# Altium PCB PCB.PcbDoc (continued)
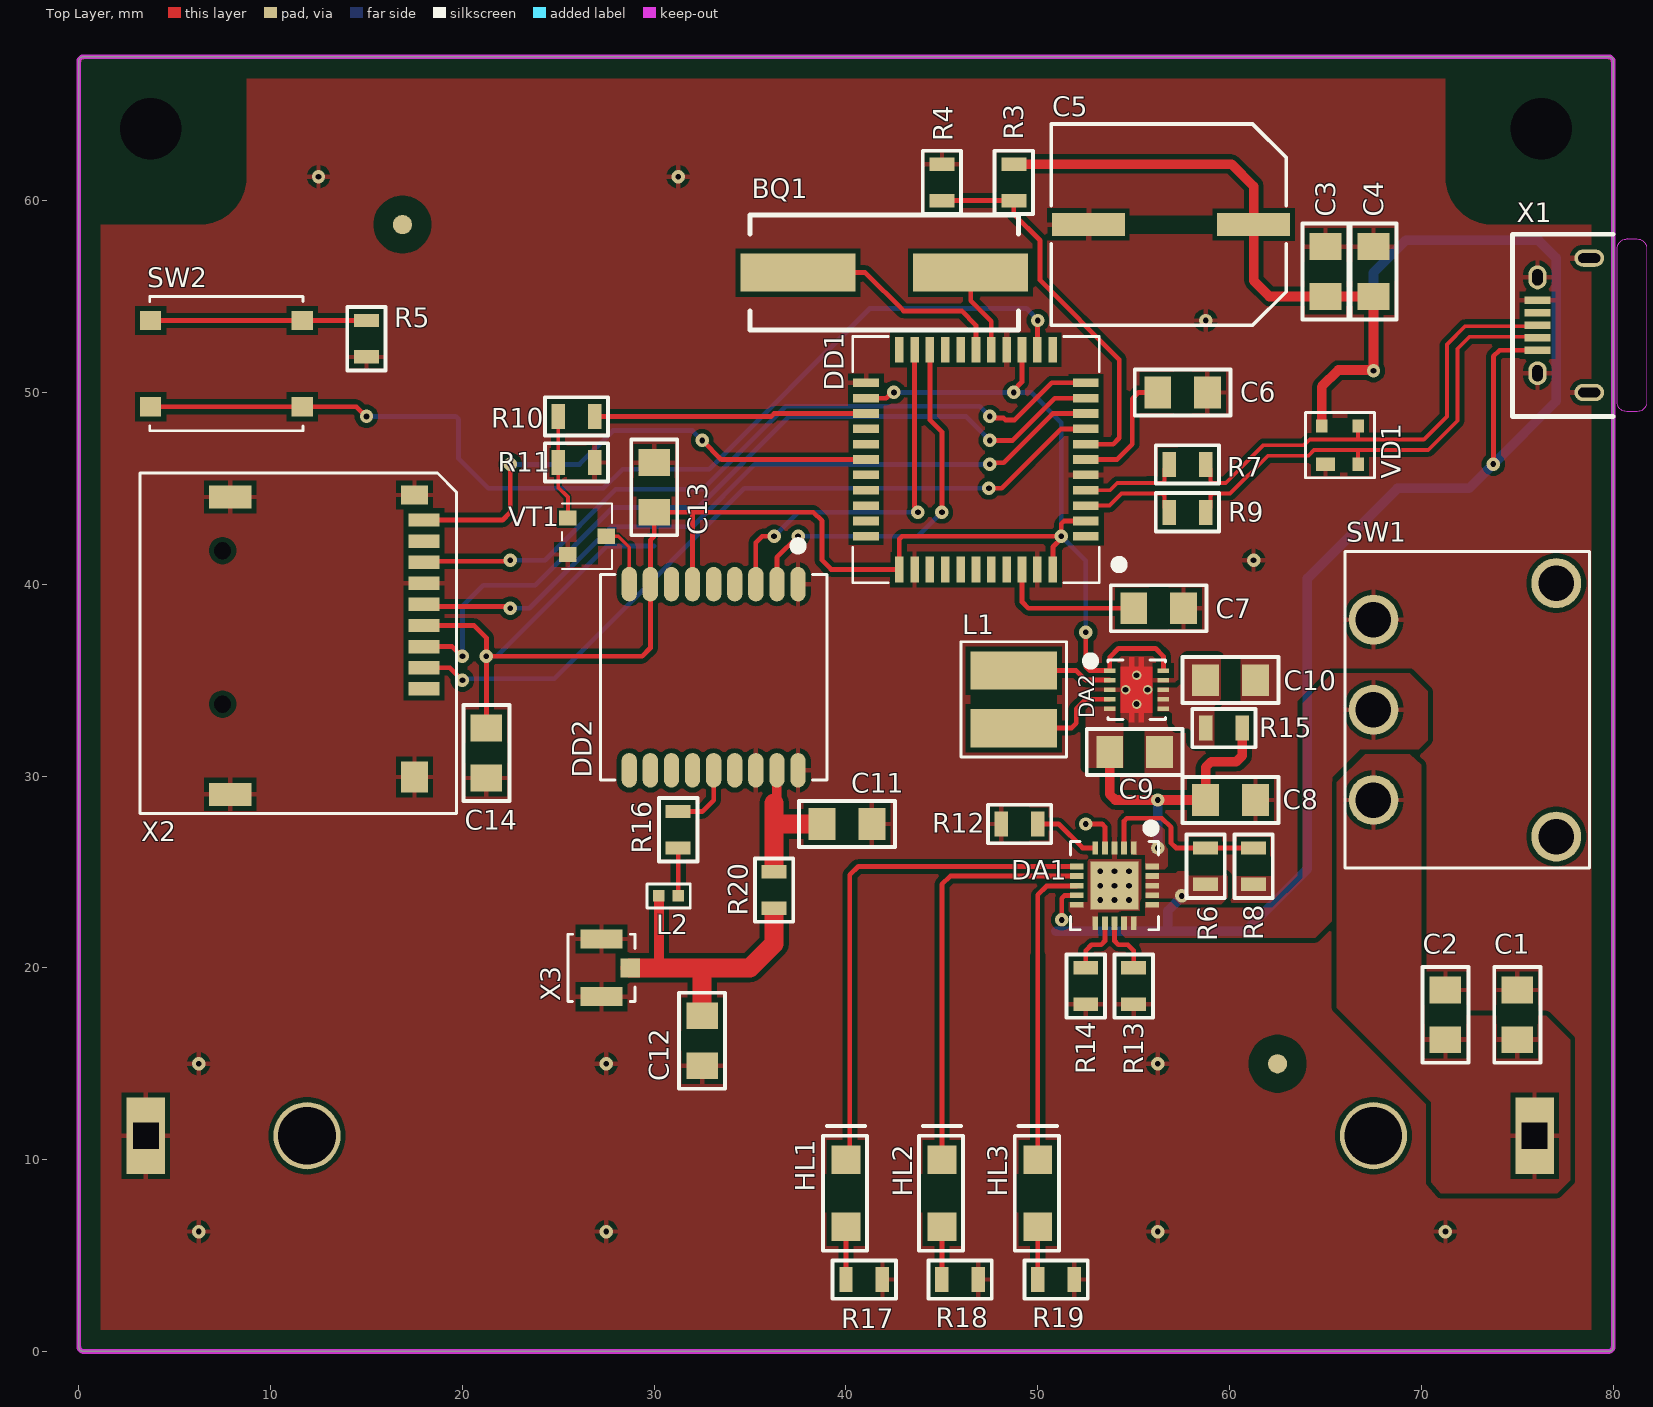
[diagram p0: Top Layer view]
## Part data
BQ1: "Кварцевый резонатор , монтаж SMD", Capacity="16 пФ", Case=SMD, Frequency="8 МГц", Temp="-20…+70 °С", Tolerance="20 ppm", ValueDescription="Кварцевый резонатор SMD 8 МГц 16 пФ ±20 ppm", ValueManufacturer=RUICHI, ValueType="Кварцевый резонатор", IC_Name=HC49SMD, Link=https://www.chipdip.ru/product/hc49smd-8-mhz-16pf-30ppm-kvartsevyy-rezonator-ruichi-8030745328, Part Number=HC49SMD
C1 C4: library part GRM21BR61E226ME44L, "безвыводные керамические неполярные конденсаторы общего применения", Case=0805, Temp=-55…85, Tolerance=20%, ValueDescription="Конденсатор 0805 22 мкФ ±20% 25В", ValueManufacturer="Murata Electronics", ValueType=Конденсатор, Voltage=25В, EffectiveValue="22 мкФ", Link=https://www.chipdip.ru/product/22mkf-x5r-25v-20-0805-grm21br61e226me44l-kondensator-murata-9000272790, Part Number=GRM21BR61E226ME44L
C2: library part GRM21BR71H105KA12L, "безвыводные керамические неполярные конденсаторы общего применения", Case=0805, Temp=-55…125, Tolerance=10%, ValueDescription="Конденсатор 0805 1 мкФ ±10% 50В", ValueManufacturer="Murata Electronics", ValueType=Конденсатор, Voltage=50В, EffectiveValue="1 мкФ", Link=https://www.chipdip.ru/product/1-mkf-x7r-50v-10-0805-grm21br71h105k-kondensator-murata-9000059108, Part Number=GRM21BR71H105KA12L
C3 C10: library part CL21F104ZBCNNNC, "безвыводные керамические неполярные конденсаторы общего применения", Case=0805, Temp=-30…50, Tolerance=10%, ValueDescription="Конденсатор 0805 100 нФ ±10% 50В", ValueManufacturer="Samsung Electronics", ValueType=Конденсатор, Voltage=50В, EffectiveValue="100 нФ", Link=https://www.chipdip.ru/product/cl21f104zbcnnnc-samsung-8001793788, Part Number=CL21F104ZBCNNNC
C5: library part JCK1A102M100105, "Алюминиевые электролитические конденсаторы", Case=10x10.5мм, Temp=-40…105, Tolerance=20%, ValueDescription="Конденсатор электролитический 10x10.5мм 1000 мкФ ±20% 50 В", ValueManufacturer="JB Capacitors", ValueType="Конденсатор электролитический", Voltage="50 В", EffectiveValue="1000 мкФ", Link=https://www.chipdip.ru/product/ecap-smd-1000mkf-10v-105-c-20-10x10.5mm-jb-capacitors-9000565753, Part Number=JCK1A102M100105
C6: library part GRM21BR71C105KA01K, Case=0805, Temp=-55…125, Tolerance=10%, ValueDescription="Конденсатор 0805 1.0 мкФ ±10% 50В", ValueManufacturer="Murata Electronics", ValueType=Конденсатор, Voltage=50В, EffectiveValue="1.0 мкФ", Link=https://www.chipdip.ru/product/grm21br71c105k, Part Number=GRM21BR71C105KA01K
C7: library part GRM21BR71H104K, Case=0805, Temp=-55…125, Tolerance=10%, ValueDescription="Конденсатор 0805 0.1 мкФ ±10% 50В", ValueManufacturer="Murata Electronics", ValueType=Конденсатор, Voltage=50В, EffectiveValue="0.1 мкФ", Link=https://www.chipdip.ru/product/grm21br71h104k, Part Number=GRM21BR71H104K
C8: library part GRM21BR61A475KA73L, "безвыводные керамические неполярные конденсаторы общего применения", Case=0805, Temp=-55…85, Tolerance=10%, ValueDescription="Конденсатор 0805 4.7 мкФ ±10% 10В", ValueManufacturer="Murata Electronics", ValueType=Конденсатор, Voltage=10В, EffectiveValue="4.7 мкФ", Link=https://www.chipdip.ru/product/4.7-mkf-x5r-10-10v-0805-grm21br61a475ka73l-murata-9000122610, Part Number=GRM21BR61A475KA73L
C9 C13 C14: library part GRM21BR61H106KE43L, "безвыводные керамические неполярные конденсаторы общего применения", Case=0805, Temp=-55…125, Tolerance=10%, ValueDescription="Конденсатор 0805 10 мкФ ±10% 50В", ValueManufacturer="Murata Electronics", ValueType=Конденсатор, Voltage=50В, EffectiveValue="10 мкФ", Link=https://www.chipdip.ru/product/10mkf-x5r-50v-10-0805-grm21br61h106ke43l-kondensator-murata-9000665990, Part Number=GRM21BR61H106KE43L
C11 C12: library part 0F, "Перемычка", EffectiveValue="0 пФ", Part Number=0F
DA1: library part MCP73871-2CCI/ML, "The MCP73871-2CCI/ML is a stand-alone system load sharing and Li-ion/Li-polymer battery charge Management Controller with AC-DC wall adapter and USB port power sources selection", Case=QFN-20, ValueDescription="Драйвер зарядки MCP73871", ValueManufacturer="Microchip Technology", ValueType="Драйвер зарядки", IC_Name=MCP73871, Link=https://www.chipdip.ru/product/mcp73871-2cci-ml-battery-management-usb-ac-microchip-8005459712, Part Number=MCP73871-2CCI/ML
DA2: library part TPS63001DRCR, "Преобразователь постоянного тока понижающий-повышающий синхронный 3.3В", Case=VSON10, ValueDescription="Преобразователь постоянного тока TPS63001", ValueManufacturer="Texas Instruments", ValueType="Преобразователь постоянного тока", IC_Name=TPS63001, Link=https://www.chipdip.ru/product/tps63001drcr-texas-instruments-8033558615, Part Number=TPS63001DRCR
DD1: library part ATMEGA32U4-AU, Case=TQFP-44, ValueDescription="Микроконтроллер 8-Бит, AVR ATMEGA32U4", ValueManufacturer="Microchip Technology", ValueType="Микроконтроллер 8-Бит, AVR", IC_Name=ATMEGA32U4, Link=https://www.chipdip.ru/product/atmega32u4-au, Part Number=ATMEGA32U4-AU
DD2: "GPS/GLONAS модуль", ValueDescription="GPS/GLONAS модуль L76L-M33", ValueManufacturer=Quectel, Case=L76L-M33, IC_Name=L76L-M33, Link=https://www.chipdip.ru/product/l76l-m33-quectel-8002892233, Part Number=L76L-M33, ValueType="GPS/GLONAS модуль"
G1: library part KLS5-18650-006, "Держатели батарей, клипсы, контакты", ValueDescription="Держатель батареи --", ValueManufacturer="KLS electronic co ltd", ValueType="Держатель батареи", Case=18650, IC_Name=--, Link=https://www.chipdip.ru/product/kls5-18650-d-batareynyy-otsek-1x18650-na-platu-9000597333, Part Number=KLS5-18650-006
HL1 HL2 HL3: library part 9203T013, Case="SMD 3216", Color=зеленый, ValueDescription="Светодиод зеленый SMD 3216 TO-3216BC-PG", ValueManufacturer="Taiwan Oasis Technology Co., Ltd", ValueType=Светодиод, IC_Name=TO-3216BC-PG, Link=https://www.chipdip.ru/product/to-3216bc-pg, Part Number=9203T013
L1: library part CDSP43-2R2M, "=ValueType+' '+EffectiveValue+' ±'+Tolerance", Temp="-40…125 / -40...125", Tolerance=20%, ValueDescription="Индуктивность, SMD 2.2 мкГн ±20%", ValueManufacturer=SCE, ValueType="Индуктивность, SMD", EffectiveValue="2.2 мкГн", Link=https://www.chipdip.ru/product/cdsp43-2r2m-2.2mkgn-induktivnost-smd-sce-9001493377, Part Number=CDSP43-2R2M
L2: library part LQW15AN47NJ00D, "High quality coil inductors designed for VHF and UHF applications", Tolerance=5%, ValueDescription="Индуктивность, SMD 47 нГн ±5%", ValueManufacturer="Murata Electronics", ValueType="Индуктивность, SMD", EffectiveValue="47 нГн", Link=https://www.chipdip.ru/product/lqw15an47nj00d-47-ngn-0402-5-induktivnost-smd-murata-9000127414, Part Number=LQW15AN47NJ00D
R3: library part RC0805FR-0751KL, Case=0805, Power=0.125Вт, Temp=-55…155, Tolerance=1%, ValueDescription="Резистор 0805 51 кОм ±1% 0.125Вт", ValueManufacturer="No trademark", ValueType=Резистор, Voltage=150В, EffectiveValue="51 кОм", Link=https://www.chipdip.ru/product/0.125vt-0805-51-kom-1-chip-rezistor-smd-9000079531, Part Number=RC0805FR-0751KL
R4: library part RC0805FR-07100KL, Case=0805, Power=0.125Вт, Temp=-55…155, Tolerance=1%, ValueDescription="Резистор 0805 100 кОм ±1% 0.125Вт", ValueManufacturer="No trademark", ValueType=Резистор, Voltage=150В, EffectiveValue="100 кОм", Link=https://www.chipdip.ru/product/0.125w-0805-100-kom-1, Part Number=RC0805FR-07100KL
R5 R17 R18 R19: library part RC0805FR-07470RL, Case=0805, Power=0.125Вт, Temp=-55…155, Tolerance=1%, ValueDescription="Резистор 0805 470 Ом ±1% 0.125Вт", ValueManufacturer="No trademark", ValueType=Резистор, Voltage=150В, EffectiveValue="470 Ом", Link=https://www.chipdip.ru/product/0.125w-0805-470-om-1, Part Number=RC0805FR-07470RL
R6: library part RC0805FR-07270KL, Case=0805, Power=0.125Вт, Temp=-55…155, Tolerance=1%, ValueDescription="Резистор 0805 270 кОм ±1% 0.125Вт", ValueManufacturer="No trademark", ValueType=Резистор, Voltage=150В, EffectiveValue="270 кОм", Link=https://www.chipdip.ru/product/0.125w-0805-270-kom-1, Part Number=RC0805FR-07270KL
R7 R9: library part RC0805FR-0722RL, Case=0805, Power=0.125Вт, Temp=-55…155, Tolerance=1%, ValueDescription="Резистор 0805 22 Ом ±1% 0.125Вт", ValueManufacturer="No trademark", ValueType=Резистор, Voltage=150В, EffectiveValue="22 Ом", Link=https://www.chipdip.ru/product/0.125vt-0805-22-om-1-chip-rezistor-smd-9000079446, Part Number=RC0805FR-0722RL
R8 R15: library part RC0805FR-07100RL, Case=0805, Power=0.125Вт, Temp=-55…155, Tolerance=1%, ValueDescription="Резистор 0805 100 Ом ±1% 0.125Вт", ValueManufacturer="No trademark", ValueType=Резистор, Voltage=150В, EffectiveValue="100 Ом", Link=https://www.chipdip.ru/product/0.125w-0805-100-om-1, Part Number=RC0805FR-07100RL
R10: library part RC0805FR-074K7L, Case=0805, Power=0.125Вт, Temp=-55…155, Tolerance=1%, ValueDescription="Резистор 0805 4.7 кОм ±1% 0.125Вт", ValueManufacturer="No trademark", ValueType=Резистор, Voltage=150В, EffectiveValue="4.7 кОм", Link=https://www.chipdip.ru/product/0.125w-0805-4.7-kom-1, Part Number=RC0805FR-074K7L
R11: library part RC0805FR-0747KL, Case=0805, Power=0.125Вт, Temp=-55…155, Tolerance=1%, ValueDescription="Резистор 0805 47 кОм ±1% 0.125Вт", ValueManufacturer="No trademark", ValueType=Резистор, Voltage=150В, EffectiveValue="47 кОм", Link=https://www.chipdip.ru/product/0.125w-0805-47-kom-1, Part Number=RC0805FR-0747KL
R12 R14: library part RC0805FR-0710KL, Case=0805, Power=0.125Вт, Temp=-55…155, Tolerance=1%, ValueDescription="Резистор 0805 10 кОм ±1% 0.125Вт", ValueManufacturer="No trademark", ValueType=Резистор, Voltage=150В, EffectiveValue="10 кОм", Link=https://www.chipdip.ru/product/0.125w-0805-10-kom-1, Part Number=RC0805FR-0710KL
R13: library part RC0805FR-072KL, Case=0805, Power=0.125Вт, Temp=-55…155, Tolerance=1%, ValueDescription="Резистор 0805 2 кОМ ±1% 0.125Вт", ValueManufacturer="No trademark", ValueType=Резистор, Voltage=150В, EffectiveValue="2 кОМ", Link=https://www.chipdip.ru/product/0.125w-0805-2-kom-1, Part Number=RC0805FR-072KL
R16: library part RC0805FR-0710RL, Case=0805, Power=0.125Вт, Temp=-55…155, Tolerance=1%, ValueDescription="Резистор 0805 10 Ом ±1% 0.125Вт", ValueManufacturer="No trademark", ValueType=Резистор, Voltage=150В, EffectiveValue="10 Ом", Link=https://www.chipdip.ru/product/0.125vt-0805-10-om-1-chip-rezistor-smd-9000079936, Part Number=RC0805FR-0710RL
R20: library part "0 Ohm", "0 Ом перемычка", EffectiveValue="0 Ом", Part Number="0 Ohm"
SW1: library part 500SSP1S1M6QEA, "=ValueType+' '+Case", Case=SPDT, ValueDescription="Переключатель движковый SPDT", ValueManufacturer=E-Switch, ValueType="Переключатель движковый", Link=https://www.chipdip.ru/product/500ssp1s1m6qea-pereklyuchatel-dvizhkovyy-pol-2-e-switch-8021935358, Part Number=500SSP1S1M6QEA
SW2: library part L-KLS7-TS6604-5.0-180-B, "Кнопка тактильная 6х6мм h=5мм усилие нажатия 180гр SMD монтаж россыпь", Case=SPST, ValueDescription="Кнопка тактильная 6х6мм SPST", ValueManufacturer="KLS electronic co ltd", ValueType="Кнопка тактильная 6х6мм", Link=https://www.chipdip.ru/product/kls7-ts6604-5.0-180-it-1102sa-knopka-taktovaya-6x6x5mm-9000336848, Part Number=L-KLS7-TS6604-5.0-180-B
VD1: "Диоды для подавления переходных скачков напряжения для подавления переходных скачков напряжения 5.5V DUAL R-R ESD ULTRA LOW CAP", Case=SOT-143B, ValueDescription="Подавитель статического заряда PRTR5V0U2X", ValueManufacturer="Nexperia B.V. / Nexperia B.V.", ValueType="Подавитель статического заряда", IC_Name=PRTR5V0U2X, Link=https://www.chipdip.ru/product/prtr5v0u2x-215-podaviteli-staticheskogo-zaryada-nexperia-9000088547, Part Number=PRTR5V0U2X
VT1: "Аналог КТ3102Е", Case=SOT23, ValueDescription="NPN-транзистор MMBT5089", ValueManufacturer=Shikues, ValueType=NPN-транзистор, IC_Name=MMBT5089, Link=https://www.chipdip.ru/product0/8003371769, Part Number=MMBT5089
X1: library part 10118194-0001LF, "USB - micro B USB 2.0 Receptacle Connector 5 Position Surface Mount, Right Angle; Through Hole", ValueDescription="Разъем Micro-USB B", ValueManufacturer="Amphenol ICC (FCI)", ValueType=Разъем, IC_Name="Micro-USB B", Link=https://www.chipdip.ru/product/10118194-0001lf-gnezdo-usb-b-micro-na-pcb-smt-tht-amphenol-8032862677, Part Number=10118194-0001LF, System=Connector
X2: library part 112J-TDAR-R01, "Держатель micro SD карты SMD 8 pin", ValueDescription="Держатель microSD MicroSD SMD holder", ValueManufacturer="ATTEND TECHNOLOGY", ValueType="Держатель microSD", Case="microSD SMD", IC_Name="MicroSD SMD holder", Link=https://www.chipdip.ru/product/112j-tdar-r01-112j-tdar-r01-r3-microsd-soket-attend-8003294753, Part Number=112J-TDAR-R01, System=Connector
X3: library part U.FL-R-SMT-1[80], "Разъем UFL 50 Ом на плату SMT", Case=SMT-1, ValueDescription="Разъем U.FL-R-SMT-1", ValueManufacturer="Hirose Connector", ValueType=Разъем, IC_Name=U.FL-R-SMT-1, Link=https://www.chipdip.ru/product/u-fl-r-smt-1-u-fl-r-smt-1-80-razem-ufl-50-om-na-hirose-9000586248?from=suggest_product, Part Number=U.FL-R-SMT-1[80], System=Connector

## Free pads (board coordinates)
  round 0 hole 3.2 unplated: Mount(76.25,63.75) Mount1(3.75,63.75)
  round 1 smd mask-2539.97: TP(16.875,58.75) TP(62.5,15)
  round 0.6 smd far side mask+0: ""(30,44.95) ""(30,42) ""(30,43) ""(30,44) ""(30,46) ""(30,47)

## Via types
v1: diameter 0.7, hole 0.3, Top Layer to Bottom Layer, tented both sides, 39 vias
v2: diameter 0.7, hole 0.3, Top Layer to Bottom Layer, tented bottom, 9 vias
v3: diameter 0.5/0.7 (per signal layer), hole 0.3, Top Layer to Bottom Layer, tented bottom, 4 vias

## Nets (pads, with @x,y where several pads share a name; then routed paths per layer and width w, separated by ;. In a path a pad name is that pad's centre, name@x,y a point inside that pad or via, vN(x,y) a via of type N, cw(c..) or ccw(c..) an arc to the next point about the centre after c; other vN are vias at no path point)
3V3: C13.1 C14.1 DA2.1 DA2.10 DD1.2 DD1.14 DD1.24 DD1.34 DD1.44 DD2.6 DD2.8 pad.@30,42 X2.4 | length 100.6
  Top Layer w0.25: X2.4 20.6,37.85 21.25,37.2 v1(21.25,36.25) ; C14.1 v1(21.25,36.25) ; DD2.6 32,43.75 ; DD1.24 42.1,49.7 42.4,50 v1(42.5,50) ; v1(48.75,50) 48.75,50.122 49.175,50.547 DD1.14 ; DD1.44 50.787,40.787 50.787,41.941 v1@51.25,42.403 ; v1(52.5,37.5) 52.5,35.707 52.707,35.5 DA2.1 53.75,36.2 54.2,36.65 56.15,36.65 56.55,36.25 DA2.10 ; DD1.2 51.371,43.3 51.225,43.154 v1(51.225,42.5) 42.921,42.5 42.775,42.354 DD1.34 39.225,40.775 38.75,41.25 38.75,43.3 38.3,43.75 32,43.75 ; v1(21.25,36.25) 29.375,36.25 29.8,36.675 DD2.8 29.8,42.3 30,42.5 C13.1 32,43.75
  Bottom Layer w0.25: v1(21.25,36.25) 21.793,36.25 27.543,42 pad.@30,42 ; v1(42.5,50) v1(48.75,50) 49.65,50 51.225,48.425 v1(51.225,42.5) ; v1@51.25,42.475 52.5,41.225 v1(52.5,37.5)
GND: C1.2 C2.2 C3.2 C4.2 C5.1 C6.2 C7.2 C8.2 C9.2 C10.2 C11.2 C12.2 C13.2 C14.2 DA1.3 DA1.10 DA1.11 DA1.21 DA2.3 DA2.9 DA2.11 DD1.5 DD1.15 DD1.23 DD1.35 DD1.43 DD2.1 DD2.10 DD2.12 G1.Minus pad.@30,47 R4.2 R5.1 R8.1 R11.1 R12.1 R13.1 R14.1 R17.2 R18.2 R19.2 SW1.NC VD1.1 VT1.2 X1.5 X1.6 X2.6 X2.GND X3.2
  other v1: 6.25,6.25 27.5,6.25 56.25,6.25 71.25,6.25 6.25,15 27.5,15 56.25,15 61.25,41.25 58.75,53.75 12.5,61.25 31.25,61.25
  other v2: 53.25,23.535 54,23.535 54.75,23.535 53.25,24.285 54,24.285 54.75,24.285 53.25,25.035 54,25.035 54.75,25.035
  other v3: 55.15,33.75 54.575,34.5 55.725,34.5 55.15,35.25
MISO: DD1.11 pad.@30,44.95 X2.7 | length 39
  Top Layer w0.25: X2.7 18.05,41.2 22.45,41.2 v1(22.5,41.25) ; v1(47.5,48.75) 47.586,48.664 48.208,48.664 48.308,48.564 48.789,48.564 50.725,50.5 DD1.11
  Bottom Layer w0.25: v1(22.5,41.25) 24.307,41.25 28.007,44.95 32.2,44.95 32.532,44.95 36.857,49.275 46.975,49.275 v1(47.5,48.75)
MOSI: DD1.10 pad.@30,44 X2.3 | length 42.9
  Top Layer w0.25: X2.3 19.475,36.75 19.975,36.25 v1(20,36.25) ; v1(47.5,47.5) 48.682,47.5 50.882,49.7 DD1.10
  Bottom Layer w0.25: v1(20,36.25) 20,38.85 21.1,39.95 23.8,39.95 27.85,44 29,44 31,44 32.289,44 37.039,48.75 46.25,48.75 v1(47.5,47.5) v1@47.45,47.55
NetBQ1_1: BQ1.1 DD1.17 | length 11.7
  Top Layer w0.25: BQ1.1 41,56.25 43,54.25 46.025,54.25 46.775,53.5 DD1.17
NetBQ1_2: BQ1.2 DD1.16 | length 4.5
  Top Layer w0.25: BQ1.2 46.5,54.775 47.575,53.7 DD1.16
NetC1_1: C1.1 C2.1 G1.Plus SW1.NO
NetC6_1: C6.1 DD1.6 | length 6.6
  Top Layer w0.25: DD1.6 54.125,46.5 54.925,47.3 54.925,49.675 55.25,50 C6.1
NetC7_1: C7.1 DD1.42 | length 7.7
  Top Layer w0.25: DD1.42 49.175,39.075 49.5,38.75 C7.1
NetC8_1: C8.1 C9.1 DA1.1 DA1.20 DA2.5 R15.1 | length 15.1
  Top Layer w0.5: C9.1 53.75,29.043 54.043,28.75 v1(56.25,28.75) C8.1 58.75,30.457 59.043,30.75 60.35,30.75 60.65,31.05 R15.1
  Bottom Layer w0.5: v1(56.25,26.25) 56.25,27.989 v1(56.25,28.75)
NetC10_1: C10.1 DA2.6 DA2.7 DA2.8 R15.2
NetC11_1: C11.1 DD2.11 R20.2 | length 7.4
  Top Layer w0.5: 36.4,28.75 DD2.11
  Top Layer w1: R20.2@36.25,25.285 36.25,27.5 ; 36.25,28.6 36.25,27.5 ; C11.1 36.25,27.5
NetC12_1: C12.1 L2.2 R20.1 X3.1 | length 16
  Top Layer w0.5: 30,20 30.25,20.25 L2.2
  Top Layer w1: X3.1 30,20 32.5,20 ; C12.1 32.5,20 ; R20.1@36.25,22.911 36.25,21.25 35,20 32.5,20
NetDA1_5: DA1.5 R12.2 | length 3.5
  Top Layer w0.25: R12.2 51.088,27.5 52.338,26.25 DA1.5
NetDA1_12: DA1.12 R14.2 | length 3
  Top Layer w0.25: R14.2 52.5,20.9 52.8,21.2 53.3,21.2 53.5,21.4 DA1.12
NetDA1_13: DA1.13 R13.2 | length 3
  Top Layer w0.25: DA1.13 54,21.4 54.2,21.2 54.7,21.2 55,20.9 R13.2
NetDA2_2: DA2.2 L1.2 | length 5.2
  Top Layer w0.25: L1.2 52,35.5 52.5,35 DA2.2
NetDA2_4: DA2.4 L1.1 | length 6.1
  Top Layer w0.25: L1.1 51.75,32.5 52,32.75 52,33.5 52.5,34 DA2.4
NetDD1_7: DD1.7 R3.2 R4.1 | length 20.3
  Top Layer w0.25: R4.1 R3.2 48.75,59.291 50.119,57.921 50.119,55.846 54.25,51.715 54.25,47.625 53.925,47.3 DD1.7
NetDD1_8: DD1.8 X2.2 | length 40.2
  Top Layer w0.25: X2.2 19.35,35.65 v1(20,35) ; v1(47.45,45) 48.125,45 51.225,48.1 DD1.8
  Bottom Layer w0.25: v1(20,35) 20.075,35.075 20.725,35.075 24.778,35.075 30.703,41 31.025,41.322 34.703,45 v1(47.45,45)
NetDD1_20: DD1.20 DD2.2 | length 19.7
  Top Layer w0.25: DD2.2 36.4,41.4 v1(37.5,42.5) ; DD1.20 44.375,48.564 45,47.939 v1(45,43.75)
  Bottom Layer w0.25: v1(37.5,42.5) 43.75,42.5 v1(45,43.75)
NetDD1_21: DD1.21 DD2.3 | length 19.8
  Top Layer w0.25: DD2.3 35.3,42.175 35.625,42.5 v1(36.25,42.5) ; DD1.21 43.575,44.047 43.75,43.872 v1(43.75,43.75)
  Bottom Layer w0.25: v1(36.25,42.5) 37.5,43.75 v1(43.75,43.75)
NetDD1_25: DD1.25 R10.2 | length 14.2
  Top Layer w0.25: R10.2 36.1,48.75 36.25,48.9 DD1.25
NetDD1_28: DD1.28 X2.Cd | length 27.1
  Top Layer w0.25: X2.Cd 21.978,43.35 22.1,43.35 22.5,43.75 v1(22.5,46.25) ; v1(32.5,47.5) 33.5,46.5 DD1.28
  Bottom Layer w0.25: v1(22.5,46.25) 26.1,46.25 27.859,48.009 31.991,48.009 v1(32.5,47.5)
NetDD2_9: DD2.9 VT1.3 | length 3.4
  Top Layer w0.2: VT1.3 28.125,42.5 28.7,41.925 DD2.9
NetDD2_14: DD2.14 R16.2 | length 3.6
  Top Layer w0.25: R16.2 32.5,28.15 33.1,28.75 DD2.14
NetHL1_A: HL1.A R17.1 | length 2.7
  Top Layer w0.25: R17.1 HL1.A
NetHL2_A: HL2.A R18.1 | length 2.7
  Top Layer w0.25: R18.1 HL2.A
NetHL3_A: HL3.A R19.1 | length 2.7
  Top Layer w0.25: R19.1 HL3.A
NetL2_1: L2.1 R16.1 | length 2.5
  Top Layer w0.25: L2.1 R16.1
NetR5_2: R5.2 SW2.1 | length 11.3
  Top Layer w0.25: SW2.1@3.75,53.75 11.65,53.75 R5.2
NetR10_1: R10.1 R11.2 VT1.1 | length 5.5
  Top Layer w0.2: R10.1 R11.2 25,45.05 25.5,44.55 VT1.1
PG: DA1.6 HL1.K | length 26.9
  Top Layer w0.25: HL1.K 40.2,10.2 40.2,24.85 40.635,25.285 DA1.6
RESET: DD1.13 pad.@30,46 SW2.2 | length 54.9
  Top Layer w0.25: SW2.2@3.75,49.25 11.65,49.25 14.475,49.25 14.975,48.75 v1(15,48.75) ; DD1.13@49.987,52.212 DD1.13 49.987,52.237 49.987,53.737 v1(50,53.75)
  Bottom Layer w0.25: v1(15,48.75) 19.654,48.75 19.8,48.604 19.8,46.55 20.4,45.95 21.35,45 27.35,45 28.35,46 29,46 31,46 32.875,46 41.25,54.375 49.423,54.375 50,53.798 v1(50,53.75)
SCK: DD1.9 pad.@30,43 X2.5 | length 38.8
  Top Layer w0.25: X2.5 18.114,38.836 22.414,38.836 v1(22.5,38.75) ; v1(47.5,46.25) 47.585,46.335 48.225,46.335 50.79,48.9 DD1.9
  Bottom Layer w0.25: v1(22.5,38.75) 23.5,38.75 27.75,43 29,43 31.025,43 31.996,43 35.246,46.25 v1(47.5,46.25)
STAT1: DA1.8 HL3.K | length 16
  Top Layer w0.25: HL3.K 50,15.05 50,20.65 50,23.807 50.453,24.26 52.01,24.26 DA1.8
STAT2: DA1.7 HL2.K | length 21.6
  Top Layer w0.25: HL2.K 45,24.35 45.435,24.785 DA1.7
USB1_D_N: DD1.3 R9.1 | length 5.4
  Top Layer w0.2: DD1.3 53.742,44.1 54.367,44.725 55.878,44.725 56.483,44.725 56.6,44.608 56.6,44 R9.1
USB1_D_P: DD1.4 R7.1 | length 5.3
  Top Layer w0.2: DD1.4 53.764,44.9 54.139,45.275 55.65,45.275 56.483,45.275 56.6,45.392 56.6,46 R7.1
USB_D_N: R9.2 VD1.2 X1.2 | length 24.4
  Top Layer w0.2: R9.2 59,44 59,44.608 59.117,44.725 60.028,44.725 62.003,46.7 64.105,46.7 64.405,47 66.7,47 ; VD1.2 66.7,47 ; X1.2 76,52.9 72.5,52.9 71.875,52.275 71.875,48.522 70.353,47 66.7,47
USB_D_P: R7.2 VD1.3 X1.3 | length 24.4
  Top Layer w0.2: R7.2 59,46 59,45.392 59.117,45.275 59.8,45.275 61.775,47.25 63.877,47.25 64.177,47.55 66.7,47.55 ; VD1.3 66.7,47.55 ; X1.3 76,53.45 72.272,53.45 71.325,52.503 71.325,48.75 70.125,47.55 66.7,47.55
VBAT: DA1.14 DA1.15 DA1.16 SW1.COM
VIN: C3.1 C4.1 C5.2 DA1.4 DA1.9 DA1.17 DA1.18 DA1.19 R3.1 R6.2 VD1.4 X1.1 | length 117.3
  Top Layer w0.25: v1(51.25,22.5) 51.25,23.634 51.396,23.78 52.03,23.78 DA1.9 ; v1(52.5,27.5) 53.354,27.5 53.5,27.354 DA1.4 ; v1(73.75,46.266) 73.75,51.875 74.075,52.2 X1.1
  Top Layer w0.5: R3.1 60.1,61.9 61.25,60.75 C5.2 61.25,55.825 62.075,55 C3.1 C4.1 v1@67.5,51.25 ; VD1.4 64.8,50.3 65.669,51.169 67.462,51.169 v1(67.5,51.131)
  Bottom Layer w0.5: 50.95,21.9 56.775,21.9 ; v1(57.5,23.75) 57.5,23.696 56.775,22.971 56.775,21.9 ; v1(67.5,51.131) 67.5,56.25 69.179,57.929 76.112,57.929 77.025,57.016 77.025,49.541 v1(73.75,46.266) 72.484,45 68.75,45 64.05,40.3 64.05,25.15 60.8,21.9 56.775,21.9
VPcc: DA1.2 R6.1 R8.2 | length 9.3
  Top Layer w0.25: DA1.2 54.5,27.654 54.646,27.8 56.473,27.8 56.948,27.326 56.948,26.507 57.205,26.25 R6.1 R8.2
pads on no net: DD1.1 DD1.12 DD1.18 DD1.19 DD1.22 DD1.26 DD1.27 DD1.29 DD1.30 DD1.31 DD1.32 DD1.33 DD1.36 DD1.37 DD1.38 DD1.39 DD1.40 DD1.41 DD2.4 DD2.5 DD2.7 DD2.13 DD2.15 DD2.16 DD2.17 DD2.18 G1.NC SW1.GND X1.4 X2. X2.1 X2.8

## Polygon pours and split planes (outlines as drawn)
GND on Top Layer "GND" (solid, pour order 17): 0,0 0,67.5 80,67.5 80,0
NetC1_1 on Top Layer "NETC1_1_L01_P000" (solid, pour order 0): 65.585,29.667 67.059,31.145 69.4,31.145 69.988,30.583 70,18.2 70.7,17.5 76.5,17.5 77.75,16.25 77.75,8.92 77.08,8.25 71,8.25 70.5,8.825 70.5,13 69,14.5 65.585,17.914
VBAT on Top Layer "VBAT_L01_P001" (solid, pour order 1): 54.325,22.7 55.575,22.7 55.6,22.725 55.6,23.425 56.948,23.425 57.248,23.125 62.225,23.125 63.8,24.7 63.8,33.8 65.35,35.35 69.4,35.35 70.325,34.425 70.325,31.875 69.85,31.4 66.8,31.4 65.35,29.95 65.35,22.45 64.475,21.575 54.55,21.575 54.325,21.8
NetC8_1 on Top Layer "NetC8_1" (solid, pour order 12): 52.5,30.43 52.5,33.616 54.05,33.616 54.05,32.75 54.45,32.75 54.45,30.43
NetC10_1 on Top Layer "NETC10_1_L01_P006" (solid, pour order 6): 56.254,34.614 56.254,33.383 56.852,33.383 57,33.235 57,32.75 57.25,32.5 57.85,32.5 58,32.35 58,31.75 58.175,31.575 59.2,31.575 59.2,33.65 59.55,34 59.55,36.1 59.4,36.25 57.75,36.25 57.6,36.1 57.6,34.75 57.388,34.75 57.26,34.622
VIN on Top Layer "VIN_L01_P002" (solid, pour order 2): 55.617,24.929 57.194,24.929 57.3,25.035 59.662,25.035 59.912,24.785 59.9,24.772 59.9,23.675 59.525,23.3 57.425,23.3 57.088,23.637 55.624,23.637
NetC8_1 on Top Layer "NETC8_1_L01_P004" (solid, pour order 4): 54.867,27.375 54.857,25.899 55.61,25.899 55.61,25.136 55.615,25.132 55.62,25.136 56.626,25.136 56.775,25.285 56.775,26.331 56.775,27.073 56.34,27.508 55,27.508
GND on Bottom Layer "GND" (solid, pour order 10): 0,0 0,67.5 80,67.5 80,0
VIN on Bottom Layer "VIN_L02_P003" (solid, pour order 3): 54,28 54.25,27.75 54.25,26.25 53.75,25.75 52,25.75 51.655,25.405 51.655,22.095 51.75,22 51.75,21.75 51.5,21.5 50.4,21.5 50,21.9 50,25.75 50.25,26 51,26 51.5,26.5 51.5,27.75 51.75,28

## Keep-outs
Keep-Out Layer:
  the board outline again, w0.254

## Other copper
Top Layer:
  pour cut-out: 80,58.75 80,67.5 71.25,67.5 71.25,61.217 ccw(c73.717,61.217) 73.717,58.75
  pour cut-out: 0,58.75 0,67.5 8.75,67.5 8.75,61.217 cw(c6.283,61.217) 6.283,58.75
  pour cut-out: 61,15 ccw(c62.5,15) 62.5,13.5 ccw(c62.5,15) 64,15 ccw(c62.5,15) 62.5,16.5 ccw(c62.5,15)
  pour cut-out: 15.375,58.75 ccw(c16.875,58.75) 16.875,57.25 ccw(c16.875,58.75) 18.375,58.75 ccw(c16.875,58.75) 16.875,60.25 ccw(c16.875,58.75)
Bottom Layer:
  pour cut-out: 80,58.75 80,67.5 71.25,67.5 71.25,61.217 ccw(c73.717,61.217) 73.717,58.75
  pour cut-out: 0,58.75 0,67.5 8.75,67.5 8.75,61.217 cw(c6.283,61.217) 6.283,58.75
  pour cut-out: 29,46.382 31,46.382 31,41.5 29,41.5

## Silkscreen, mask and mechanical layers (free items; w line width, h text height)
Bottom Overlay:
  lines w0.15: 24,41.254 ccw(c24.254,41.254) 24.254,41 30.746,41 ccw(c30.746,41.254) 31,41.254 31,47.746 ccw(c30.746,47.746) 30.746,48 24.254,48 ccw(c24.254,47.746) 24,47.746 24,41.254
  text "GND" at 27.85,46.65 h0.7
  text "RESET" at 27.85,45.65 h0.7
  text "MISO" at 27.85,44.65 h0.7
  text "MOSI" at 27.85,43.65 h0.7
  text "SCK" at 27.85,42.65 h0.7
  text "VCC" at 27.85,41.525 h0.7
Top Solder:
  circle w0.5: c62.5,15 r0.25
  circle w0.75: c62.5,15 r0.375
  circle w1.5: c62.5,15 r0.75
  circle w0.75: c16.875,58.75 r0.375
  circle w0.5: c16.875,58.75 r0.25
  circle w1.5: c16.875,58.75 r0.75
  lines w1: 16.625,58.75 17.125,58.75 ; 62.25,15 62.75,15
  lines w1.5: 16.125,58.75 17.625,58.75 ; 61.75,15 63.25,15
Drill Drawing:
  lines w0.254: 97.959,16.52 99.653,16.52 99.653,18.213 97.959,18.213 97.959,16.52 ; 97.959,20.753 98.383,20.753 98.383,20.33 99.229,20.33 99.229,20.753 99.653,20.753 99.653,21.6 99.229,21.6 99.229,22.023 98.383,22.023 98.383,21.6 97.959,21.6 97.959,20.753 ; 97.959,24.563 98.383,24.563 98.806,24.14 99.229,24.563 99.653,24.563 99.229,24.987 99.653,25.41 99.229,25.41 98.806,25.833 98.383,25.41 97.959,25.41 98.383,24.987 97.959,24.563 ; 97.959,27.95 97.959,28.373 98.383,28.797 97.959,29.22 97.959,29.643 98.383,29.643 98.806,29.22 99.229,29.643 99.653,29.643 99.653,29.22 99.229,28.797 99.653,28.373 99.653,27.95 99.229,27.95 98.806,28.373 98.383,27.95 97.959,27.95 ; 97.959,32.607 98.806,31.76 99.653,32.607 98.806,33.453 97.959,32.607 ; 97.959,35.57 98.806,35.993 99.653,35.57 99.229,36.417 99.653,37.263 98.806,36.84 97.959,37.263 98.383,36.417 97.959,35.57 ; 97.959,39.803 98.383,39.803 98.383,39.38 99.229,39.38 99.229,39.803 99.653,39.803 99.653,40.65 99.229,40.65 99.229,41.073 98.383,41.073 98.383,40.65 97.959,40.65 97.959,39.803 ; 97.959,43.19 98.806,43.613 99.653,43.19 99.229,44.037 99.653,44.883 98.806,44.46 97.959,44.883 98.383,44.037 97.959,43.19 ; 98.298,16.859 99.314,16.859 99.314,17.875 98.298,17.875 98.298,16.859 ; 98.298,24.733 98.552,24.733 98.806,24.479 99.06,24.733 99.314,24.733 99.06,24.987 99.314,25.241 99.06,25.241 98.806,25.495 98.552,25.241 98.298,25.241 98.552,24.987 98.298,24.733 ; 98.298,39.973 98.552,39.973 98.552,39.719 99.06,39.719 99.06,39.973 99.314,39.973 99.314,40.481 99.06,40.481 99.06,40.735 98.552,40.735 98.552,40.481 98.298,40.481 98.298,39.973 ; 98.298,43.529 98.806,43.783 99.314,43.529 99.06,44.037 99.314,44.545 98.806,44.291 98.298,44.545 98.552,44.037 98.298,43.529
  lines w0.381: 96.441,15.377 440.056,15.377 ; 96.441,45.857 440.056,45.857 ; 110.433,11.567 110.433,49.667 ; 124.145,11.567 124.145,49.667 ; 153.347,11.567 153.347,49.667 ; 166.196,11.567 166.196,49.667 ; 184.834,11.567 184.834,49.667 ; 222.923,11.567 222.923,49.667 ; 237.905,11.567 237.905,49.667 ; 256.848,11.567 256.848,49.667 ; 285.796,11.567 285.796,49.667 ; 307.482,11.567 307.482,49.667 ; 341.355,11.567 341.355,49.667 ; 375.229,11.567 375.229,49.667 ; 404.43,11.567 404.43,49.667 ; 96.441,11.567 440.056,11.567 440.056,49.667 96.441,49.667 96.441,11.567
  text "Symbol" at 98.727,47 h1.83
  text "Count" at 111.576,47 h1.83
  text "Hole Size" at 125.288,47 h1.83
  text "Plated" at 154.49,47 h1.83
  text "Hole Type" at 167.339,47 h1.83
  text "Drill Layer Pair" at 185.977,47 h1.83
  text "Via/Pad" at 224.066,47 h1.83
  text "Pad Shape" at 239.048,47 h1.83
  text "Template" at 257.991,47 h1.83
  text "Description" at 286.939,47 h1.83
  text "Hole Tolerance (+)" at 308.625,47 h1.83
  text "Hole Tolerance (-)" at 342.498,47 h1.83
  text "Hole Length" at 376.372,47 h1.83
  text "Routed Path Length" at 405.573,47 h1.83
  text "2" at 111.576,43.19 h1.52
  text "0.500mm (19.69mil)" at 125.288,43.19 h1.52
  text "NPTH" at 154.49,43.19 h1.52
  text "Slot" at 167.339,43.19 h1.52
  text "Top Layer - Bottom Layer" at 185.977,43.19 h1.52
  text "Pad" at 224.066,43.19 h1.52
  text "Rounded" at 239.048,43.19 h1.52
  text "r155_90hn50_115r45" at 257.991,43.19 h1.52
  text "1.150mm (45.28mil)" at 376.372,43.19 h1.52
  text "0.650mm (25.59mil)" at 405.573,43.19 h1.52
  text "2" at 111.576,39.38 h1.52
  text "0.550mm (21.65mil)" at 125.288,39.38 h1.52
  text "NPTH" at 154.49,39.38 h1.52
  text "Slot" at 167.339,39.38 h1.52
  text "Top Layer - Bottom Layer" at 185.977,39.38 h1.52
  text "Pad" at 224.066,39.38 h1.52
  text "Rounded" at 239.048,39.38 h1.52
  text "r125_95hn55_85r48" at 257.991,39.38 h1.52
  text "0.850mm (33.47mil)" at 376.372,39.38 h1.52
  text "0.300mm (11.81mil)" at 405.573,39.38 h1.52
  text "2" at 111.576,35.57 h1.52
  text "0.900mm (35.43mil)" at 125.288,35.57 h1.52
  text "NPTH" at 154.49,35.57 h1.52
  text "Round" at 167.339,35.57 h1.52
  text "Top Layer - Bottom Layer" at 185.977,35.57 h1.52
  text "Pad" at 224.066,35.57 h1.52
  text "Rectangle" at 239.048,35.57 h1.52
  text "s0hn90xc0" at 257.991,35.57 h1.52
  text "-" at 376.372,35.57 h1.52
  text "-" at 405.573,35.57 h1.52
  text "2" at 111.576,31.76 h1.52
  text "1.340mm (52.76mil)" at 125.288,31.76 h1.52
  text "PTH" at 154.49,31.76 h1.52
  text "Rectangle" at 167.339,31.76 h1.52
  text "Top Layer - Bottom Layer" at 185.977,31.76 h1.52
  text "Pad" at 224.066,31.76 h1.52
  text "Rectangle" at 239.048,31.76 h1.52
  text "r400_200h134_270" at 257.991,31.76 h1.52
  text "2.700mm (106.30mil)" at 376.372,31.76 h1.52
  text "2.700mm (106.30mil)" at 405.573,31.76 h1.52
  text "2" at 111.576,27.95 h1.52
  text "3.000mm (118.11mil)" at 125.288,27.95 h1.52
  text "PTH" at 154.49,27.95 h1.52
  text "Round" at 167.339,27.95 h1.52
  text "Top Layer - Bottom Layer" at 185.977,27.95 h1.52
  text "Pad" at 224.066,27.95 h1.52
  text "Rounded" at 239.048,27.95 h1.52
  text "c350h300" at 257.991,27.95 h1.52
  text "-" at 376.372,27.95 h1.52
  text "-" at 405.573,27.95 h1.52
  text "2" at 111.576,24.14 h1.52
  text "3.200mm (125.98mil)" at 125.288,24.14 h1.52
  text "NPTH" at 154.49,24.14 h1.52
  text "Round" at 167.339,24.14 h1.52
  text "Top Layer - Bottom Layer" at 185.977,24.14 h1.52
  text "Pad" at 224.066,24.14 h1.52
  text "Rounded" at 239.048,24.14 h1.52
  text "c0hn320" at 257.991,24.14 h1.52
  text "-" at 376.372,24.14 h1.52
  text "-" at 405.573,24.14 h1.52
  text "5" at 111.576,20.33 h1.52
  text "1.850mm (72.84mil)" at 125.288,20.33 h1.52
  text "PTH" at 154.49,20.33 h1.52
  text "Round" at 167.339,20.33 h1.52
  text "Top Layer - Bottom Layer" at 185.977,20.33 h1.52
  text "Pad" at 224.066,20.33 h1.52
  text "Rounded" at 239.048,20.33 h1.52
  text "c260h185" at 257.991,20.33 h1.52
  text "-" at 376.372,20.33 h1.52
  text "-" at 405.573,20.33 h1.52
  text "52" at 111.576,16.52 h1.52
  text "0.300mm (11.81mil)" at 125.288,16.52 h1.52
  text "PTH" at 154.49,16.52 h1.52
  text "Round" at 167.339,16.52 h1.52
  text "Top Layer - Bottom Layer" at 185.977,16.52 h1.52
  text "Via" at 224.066,16.52 h1.52
  text "Rounded" at 239.048,16.52 h1.52
  text "(Mixed)" at 257.991,16.52 h1.52
  text "-" at 376.372,16.52 h1.52
  text "-" at 405.573,16.52 h1.52
  text "69 Total" at 111.576,12.71 h1.52
  text "Slot definitions :" at 98.727,9.028 h1.52
  text "Routed Path Length" at 124.957,9.028 h1.52
  text "= Calculated from tool start centre position to tool end centre position." at 152.965,9.028 h1.52
  text "Hole Length" at 124.957,6.488 h1.52
  text "= Routed Path Length + Tool Size = Slot length as defined in the PCB layout" at 142.554,6.488 h1.52